# Altium PCB old-CPU-board-multi.PcbDoc (part 1 of 3) (continued)
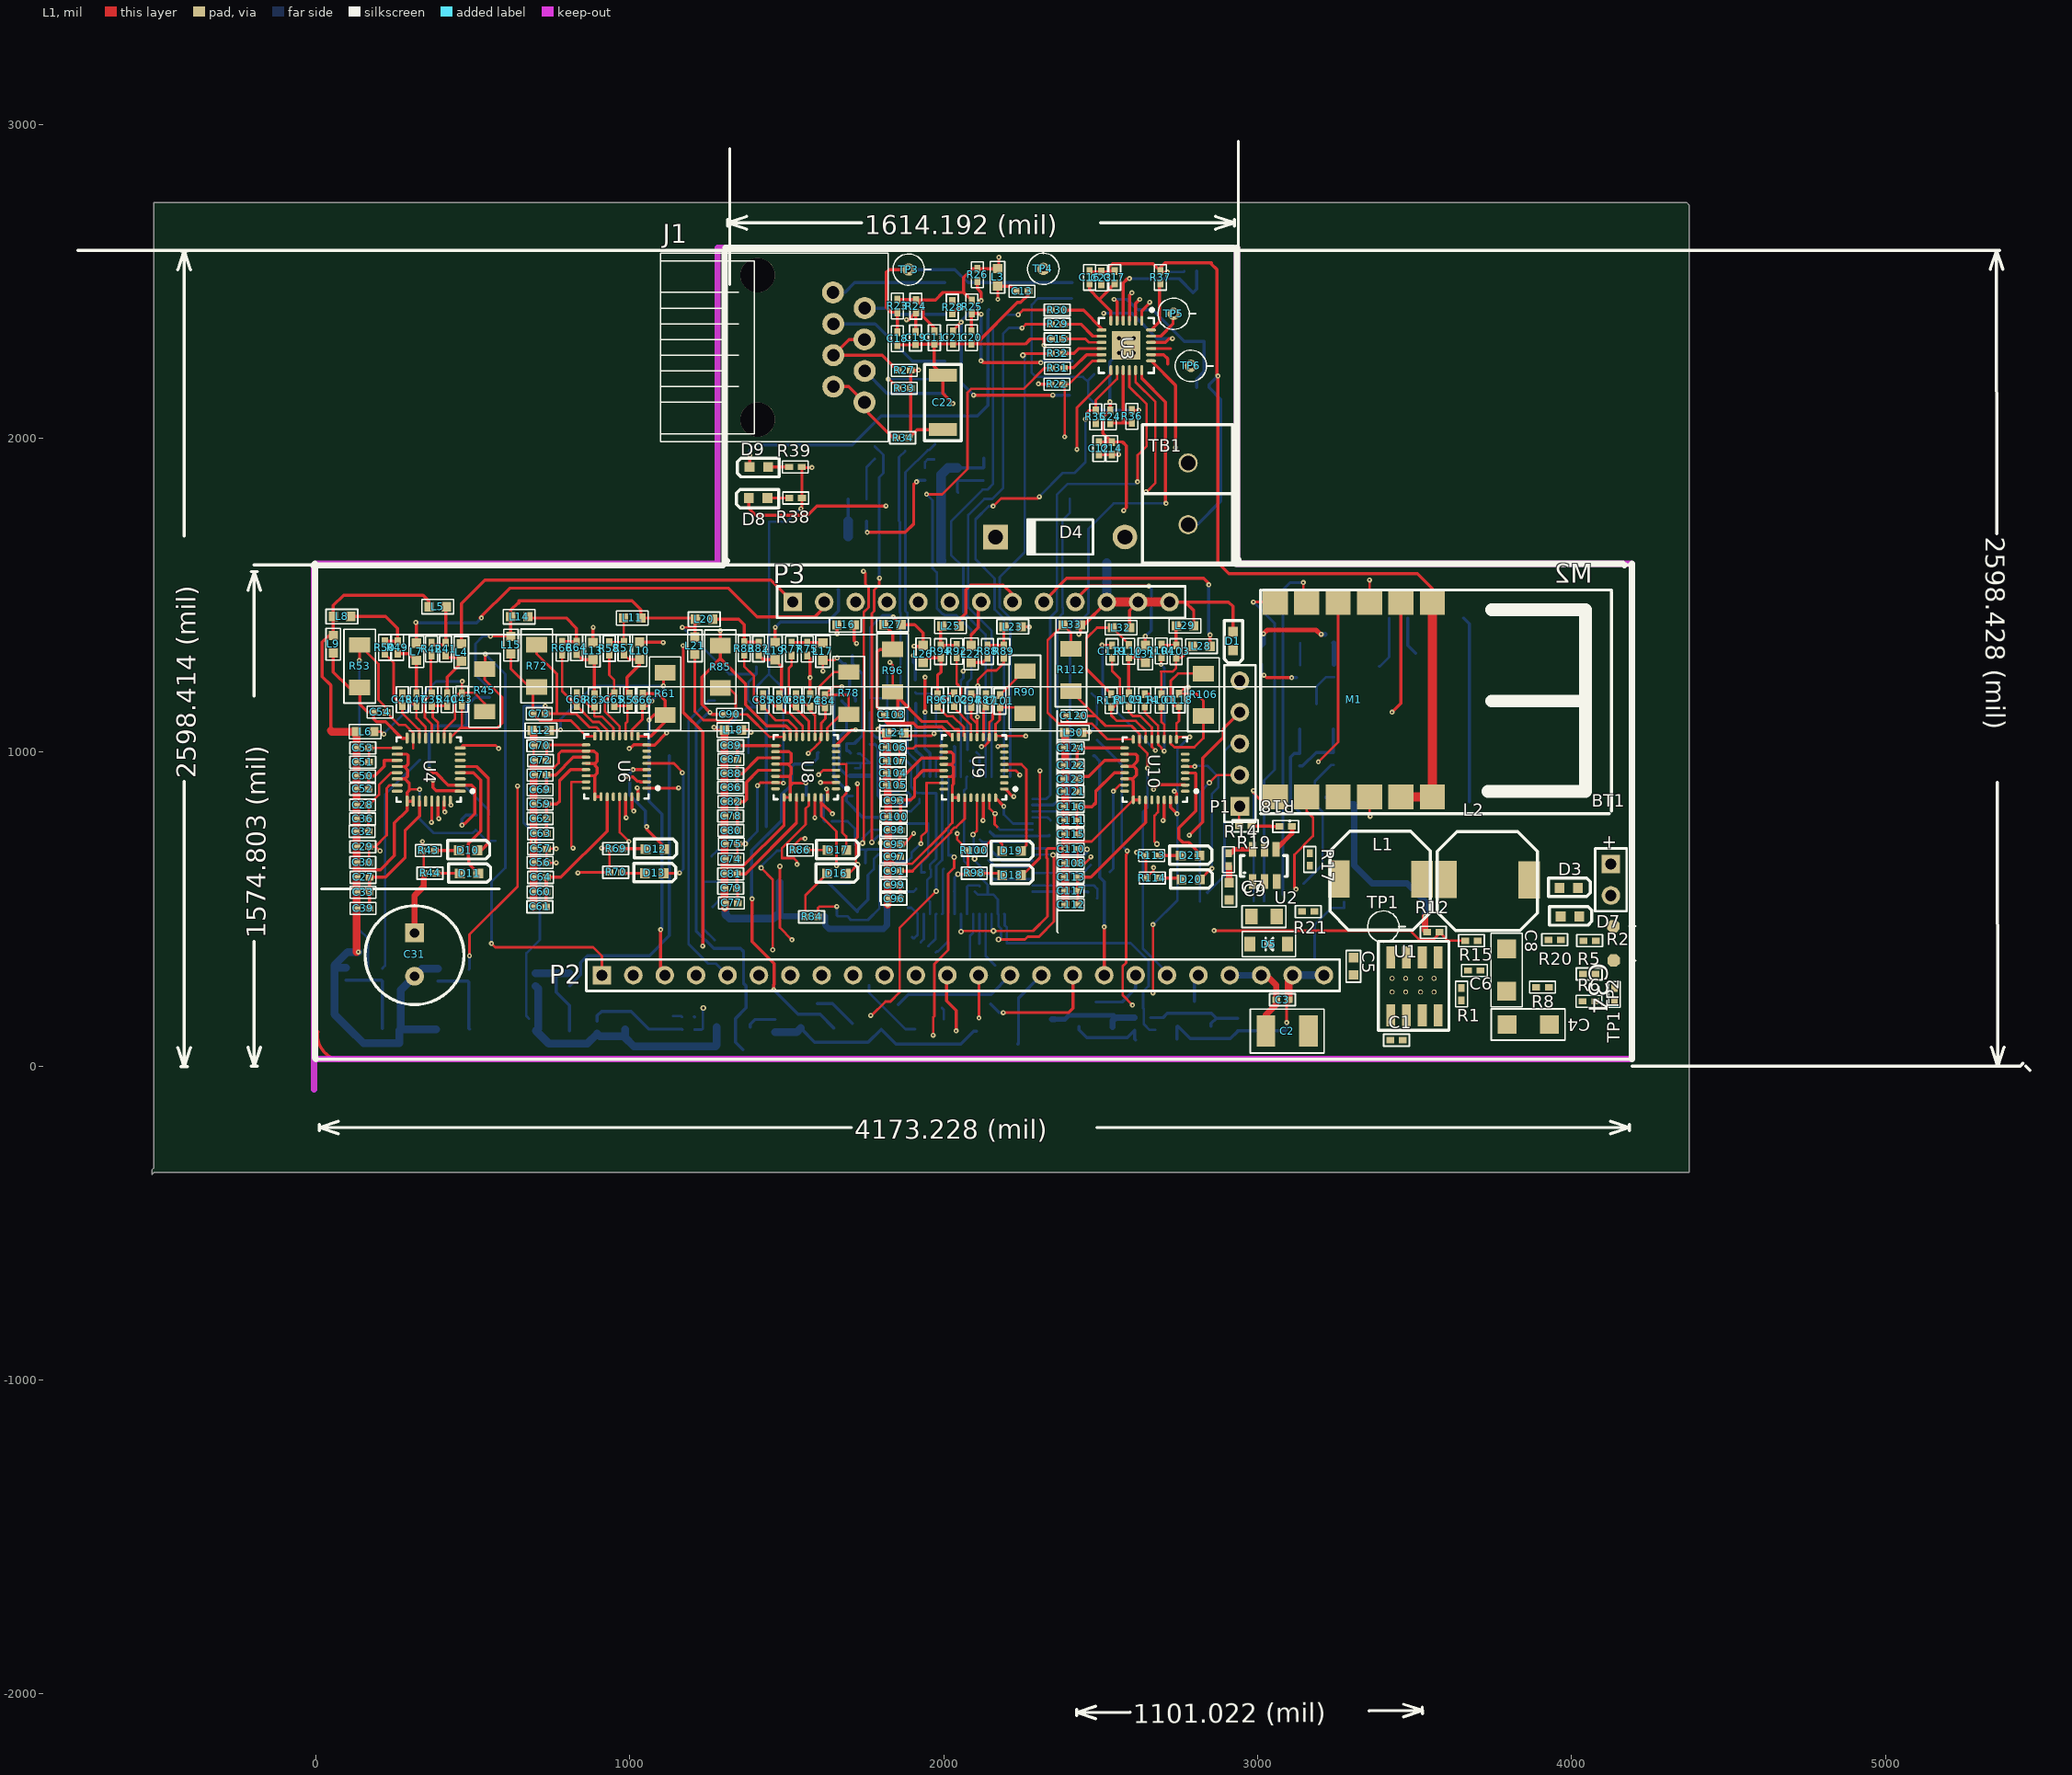
[diagram p0: L1 view]
## Design rules (kind name [scope] priority, off if disabled: settings)
Clearance [All] p1: gap=7.8
PolygonConnect [All] p1: connectstyle=Relief reliefconductorwidth=10 reliefentries=4 polygonreliefangle="90 Angle" airgapwidth=10
RoutingTopology [All] p1: topology=Daisy_MidDriven
RoutingVias MicroVia [((StartLayer='L1')and (StopLayer='L2'))or  ((StartLayer='L3')and (StopLayer='L4')) or ((StartLayer='L1')and (StopLayer='L3')) or ((StartLayer='L1')and (StopLayer='L1-2')) or ((StartLayer='L4')and (StopLayer='L3')) or ((StartLayer='L1-2')and (StopLayer='L4')) or ((StartLayer='L2')and (StopLayer='L4')) or ((StartLayer='L1-2')and (StopLayer='L2'))] p1: holewidth=6 width=16 viastyle="Through Hole" minholewidth=6 minwidth=16 maxholewidth=6 maxwidth=16
RoutingVias ThruVia [((StartLayer='L1')and (StopLayer='L4'))] p2: holewidth=6 width=6 viastyle="Through Hole" minholewidth=6 minwidth=16 maxholewidth=6 maxwidth=16
RoutingVias BuriedVia [((StartLayer='L2')and (StopLayer='L3'))  or ((StartLayer='L1-2')and (StopLayer='L3'))] p3: holewidth=7.87 width=17.72 viastyle="Through Hole" minholewidth=7.87 minwidth=17.72 maxholewidth=7.87 maxwidth=17.72
SMDNeckDown [All] p1: percent=40.000
SolderMaskExpansion [All] p1: expansion=4
Width [All] p1: maxlimit=50 minlimit=3.94 preferedwidth=10
27 further rules are at their usual default settings.

## Classes and differential pairs
component class Sheet1-multi: BT1 C1 C2 C3 C4 C6 C8 C10 C11 C12 C14 C15 C17 C18 C28 C33 C38 C47 C51 C90 C102 C103 C104 C106 C119 C121 D1 D3 D4 D5 D6 D7 D11 D15 D16 J1 L2 L4 L21 Q1 R2 R4 R5 R6 R7 R8 R9 R11 R12 R13 R15 R17 R18 R19 R20 R21 R23 R25 R26 R27 R28 R29 R31 R34 R46 R47 R51 R59 R63 R64 R66 R73 R77 R82 R84 R92 R96 R98 R106 TB1 TP2 TP3 TP4 TP5 TP6 TrET1 U1 U2 U4 Y1
component class Sheet2-multi: C7 C9 C10 C11 C17 C21 C24 C27 C28 C29 C32 C35 C38 C40 C43 C48 C49 C50 C51 C52 C53 C54 C55 C56 C57 C59 C60 C61 C62 C63 C64 C69 C70 C71 C72 C73 C74 C75 C77 C78 C79 C80 C81 C82 C83 C84 C86 C87 C88 C89 C90 C91 C95 C98 C108 C114 C115 C116 C117 C118 C121 D6 D11 D12 D13 D15 D16 D18 D20 L2 L6 L8 L12 L13 L14 L15 L17 L18 L19 L20 L21 L23 L25 L28 L30 L31 L32 M2 P1 P2 P3 Q1 Q5 Q6 Q7 Q8 R19 R20 R23 R25 R27 R32 R33 R34 R35 R37 R40 R41 R42 R43 R44 R45 R47 R51 R52 R53 R54 R55 R56 R57 R58 R59 R61 R63 R64 R67 R69 R73 R74 R75 R77 R78 R79 R80 R82 R84 R85 R88 R89 R97 R100 R104 R113 U4 U7 U8 Y1 Y2
component class Sheet3-multi: C7 C10 C11 C12 C17 C18 C21 C22 C23 C24 C25 C26 C38 C40 C44 C47 C51 C54 C59 C66 C67 C71 C83 C95 C98 C103 C104 C108 C114 C115 C117 C119 C121 D5 D6 D15 D19 L3 L4 L8 L9 L17 L23 L25 L27 L28 L29 L31 M1 Q2 Q6 Q12 R4 R6 R7 R12 R20 R25 R46 R50 R54 R59 R60 R67 R68 R71 R73 R79 R88 R91 R92 R93 R97 R102 R103 R104 R105 R107 R108 R111 U7 U8

## Components (designator, comment, footprint, x,y, rotation, side; value= is the part's Value field where it differs from the comment)
BT1 "9.0V" BAT-2 4125,593 r270 top
C1 "10nF/6.3V" 0402C-GENERIC 3422,82 r0 top
C2 "47uF/6.3V" 1210C-GENERIC 3026,111 r0 top
C3 ".1uF" 0402C-GENERIC 3059,211 r0 top
C4 "10uF/50V" 1206C-GENERIC 3794,132 r0 top
C5 ".1uF/50V" 0603C-GENERIC 3305,345 r270 top
C6 "2.2nF/6.3V" 0402C-GENERIC 3670,304 r0 top
C7 "1uF/6.3V" 0603C-GENERIC 2909,584 r270 top
C8 "22uF" 1206C-GENERIC 3793,238 r90 top
C9 "100nF/6.3V" 0805C-GENERIC 2990,476 r0 top
C10 "22uF/6.3V" 1206C-GENERIC 3244,397 r0 bottom
C11 "100nF/35V" 0402C-GENERIC 1970,2340 r270 top
C12 "10uF/6.3V" 0402C-TBD 2494,1947 r90 top
C13 "100nF/35V" 0402C-GENERIC 2229,2468 r0 top
C14 "100nF/35V" 0402C-GENERIC 2535,1947 r90 top
C15 "10uF/6.3V" 0402C-TBD 2381,2316 r180 top
C16 "1uF/16V" 0402C-GENERIC 2464,2492 r90 top
C17 "470pF" 0402C-GENERIC 2544,2492 r90 top
C18 "10pF/50V" 0402C-GENERIC 1852,2337 r270 top
C19 "10pF/50V" 0402C-GENERIC 1910,2339 r270 top
C20 "10pF/50V" 0402C-GENERIC 2088,2340 r270 top
C21 "10pF/50V" 0402C-GENERIC 2029,2340 r270 top
C22 "1000pF/3kV" 1808 1997,2027 r90 top
C23 "22nF/16V" 0402C-GENERIC 2502,2490 r90 top
C24 "100nF/35V" 0402C-GENERIC 2530,2048 r90 top
C25 "18pF/6.3V" 0402C-TBD 2806,2532 r180 bottom
C26 "18pF/6.3V" 0402C-TBD 2805,2161 r0 bottom
C27 "100nF/10V" 0402C-GENERIC 130,601 r0 top
C28 "1uF/6.3V" 0402C-GENERIC 168,831 r180 top
C29 "150pF/10V" 0402C-GENERIC 169,698 r180 top
C30 "100nF" 0402C-GENERIC 169,648 r180 top
C31 "Comment" 470uF/6.3v 314,423.8 r270 top
C32 "150pF/10V" 0402C-GENERIC 167,747 r180 top
C33 "150pF/10V" 0402C-GENERIC 170,553 r180 top
C34 "100n" 0402C-TBD 4136,248 r270 top
C35 "10n/16V" 0402C-GENERIC 369,1187 r270 top
C36 "100nF/10V" 0402C-GENERIC 128,787 r0 top
C37 "100n" 0402C-TBD 1765,964 r270 bottom
C38 "100nF/6.3V" 0402C-TBD 2126,1865 r90 bottom
C39 "4.7uF/16V" 0402C-GENERIC 170,502 r180 top
C40 "100n" 0402C-TBD 1691,965 r270 bottom
C41 "100n" 0402C-TBD 1662,477 r180 bottom
C42 "27pF/6.3V" 0603C-TBD 1617,862 r180 bottom
C43 "10n/16V" 0402C-GENERIC 465,1188 r270 top
C44 "100n" 0402C-TBD 2043,1865 r90 bottom
C45 "100n" 0402C-TBD 1443,1248 r180 bottom
C46 "100nF/6.3V" 0402C-TBD 1820,1213 r270 bottom
C47 "27pF/6.3V" 0603C-TBD 1724,492 r270 bottom
C48 "10n/16V" 0402C-GENERIC 275,1147 r90 top
C49 "10pF" 0402C-TBD 549,752 r180 bottom
C50 "150pF" 0402C-GENERIC 168,924 r180 top
C51 "150pF" 0402C-GENERIC 169,968 r180 top
C52 "100nF" 0402C-GENERIC 168,882 r180 top
C53 "100nF" 0402C-GENERIC 169,1013 r180 top
C54 "10n/16V" 0402C-GENERIC 184,1127 r0 top
C55 "10pF" 0402C-TBD 553,1174 r90 bottom
C56 "150pF/10V" 0402C-GENERIC 734,648 r180 top
C57 "100nF" 0402C-GENERIC 695,692 r0 top
C59 "1uF/6.3V" 0402C-GENERIC 734,834 r180 top
C60 "100nF" 0402C-GENERIC 734,554 r180 top
C61 "150pF/10V" 0402C-GENERIC 733,507 r180 top
C62 "150pF/10V" 0402C-GENERIC 734,788 r180 top
C63 "100nF" 0402C-GENERIC 735,740 r180 top
C64 "1uF/6.3V" 0402C-GENERIC 735,601 r180 top
C65 "10n/16V" 0402C-GENERIC 950,1187 r270 top
C66 "10n/16V" 0402C-GENERIC 1041,1146 r90 top
C67 ".1uF" 0402R-GENERIC 1400,1143 r0 bottom
C68 "10n/16V" 0402C-GENERIC 831,1147 r90 top
C69 "150pF" 0402C-GENERIC 734,880 r180 top
C70 "150pF" 0402C-GENERIC 733,1020 r180 top
C71 "100nF" 0402C-GENERIC 734,927 r180 top
C72 "100nF" 0402C-GENERIC 695,973 r0 top
C73 "10n/16V" 0402C-GENERIC 691,1122 r0 top
C74 "150pF/10V" 0402C-GENERIC 1342,659 r180 top
C75 "100nF" 0402C-GENERIC 1343,707 r180 top
C77 "100nF" 0402C-GENERIC 1343,519 r180 top
C78 "1uF/6.3V" 0402C-GENERIC 1341,796 r180 top
C79 "150pF/10V" 0402C-GENERIC 1341,566 r180 top
C80 "150pF/10V" 0402C-GENERIC 1342,750 r180 top
C81 "1uF/6.3V" 0402C-GENERIC 1341,612 r180 top
C82 "100nF" 0402C-GENERIC 1342,842 r180 top
C83 "10n/16V" 0402C-GENERIC 1529,1145 r90 top
C84 "10n/16V" 0402C-GENERIC 1621.19,1142 r90 top
C85 "10n/16V" 0402C-GENERIC 1424,1145 r90 top
C86 "150pF" 0402C-GENERIC 1341,887 r180 top
C87 "150pF" 0402C-GENERIC 1342,976 r180 top
C88 "100nF" 0402C-GENERIC 1341,931 r180 top
C89 "100nF" 0402C-GENERIC 1341,1020 r180 top
C90 "10n/16V" 0402C-GENERIC 1337,1120 r180 top
C91 "100nF" 0402C-GENERIC 1861,621 r180 top
C93 "1uF/6.3V" 0402C-GENERIC 1861,845 r180 top
C94 "10n/16V" 0402C-GENERIC 2087,1144 r90 top
C95 "100nF" 0402C-GENERIC 1862,706 r180 top
C96 "150pF/10V" 0402C-GENERIC 1861,532 r180 top
C97 "150pF/10V" 0402C-GENERIC 1861,666 r180 top
C98 "150pF/10V" 0402C-GENERIC 1822,751 r0 top
C99 "1uF/6.3V" 0402C-GENERIC 1861,576 r180 top
C100 "100nF" 0402C-GENERIC 1862,794 r180 top
C101 "10n/16V" 0402C-GENERIC 2179,1182 r270 top
C102 "10n/16V" 0402C-GENERIC 2033,1187 r270 top
C103 "10n/16V" 0402C-GENERIC 1813,1118 r0 top
C104 "150pF" 0402C-GENERIC 1859,932 r180 top
C105 "100nF" 0402C-GENERIC 1859,894 r180 top
C106 "150pF" 0402C-GENERIC 1858,1014 r180 top
C107 "100nF" 0402C-GENERIC 1859,971 r180 top
C108 "150pF/10V" 0402C-GENERIC 2426,646 r180 top
C110 "100nF" 0402C-GENERIC 2426,691 r180 top
C111 "1uF/6.3V" 0402C-GENERIC 2426,781 r180 top
C112 "100nF" 0402C-GENERIC 2426,514 r180 top
C113 "150pF/10V" 0402C-GENERIC 2425,601 r180 top
C114 "10n/16V" 0402C-GENERIC 2640,1145 r90 top
C115 "150pF/10V" 0402C-GENERIC 2426,737 r180 top
C116 "100nF" 0402C-GENERIC 2425,826 r180 top
C117 "1uF/6.3V" 0402C-GENERIC 2426,558 r180 top
C118 "10n/16V" 0402C-GENERIC 2749,1186 r270 top
C119 "10n/16V" 0402C-GENERIC 2536,1300 r90 top
C120 "10n/16V" 0402C-GENERIC 2394,1115 r0 top
C121 "150pF" 0402C-GENERIC 2425,874 r180 top
C122 "150pF" 0402C-GENERIC 2425,958 r180 top
C123 "100nF" 0402C-GENERIC 2424,914 r180 top
C124 "100nF" 0402C-GENERIC 2425.06,1013.06 r180 top
D1 "PDS 560" LED-SM 2921,1383.06 r270 top
D2 "2V/20mA" LED-SM 3012,1280 r90 bottom
D3 "2V/20mA" LED-SM 3961,567 r0 top
D4 "1N5400/3A" DO-41 2371,1685 r180 top
D5 "1N4148" SOD-123 2975,388 r0 top
D6 "9.1V" SOT23-DIODE 3142,818 r0 bottom
D7 "2V/20mA" LED-SM 3965,476 r0 top
D8 "2V/20mA" LED-SM 1438.06,1809 r180 top
D9 "2V/20mA" LED-SM 1440.06,1908 r180 top
D10 "LED2" LED-SM 455,687 r0 top
D11 "LED2" LED-SM 458,613 r0 top
D12 "LED2" LED-SM 1050,691 r0 top (schematic designator D13)
D13 "LED2" LED-SM 1048,614 r0 top
D14 "LED2" LED-SM 1754.06,1735 r180 bottom
D15 "LED2" LED-SM 1754.06,1806 r180 bottom
D16 "LED2" LED-SM 1627.94,613 r0 top
D17 "LED2" LED-SM 1630,688 r0 top
D18 "LED2" LED-SM 2186,608 r0 top
D19 "LED2" LED-SM 2186,685 r0 top
D20 "LED2" LED-SM 2756.94,594 r0 top
D21 "LED2" LED-SM 2754.94,670 r0 top
J1 "RJ45-GENERIC" RJ45-8/8 1747,2114 r0 top
L1 "15uH/3.3A" "Murata 15uH inductor" 3258,594.98 r0 top
L2 "4.7uH/2.6A" "Murata 15uH inductor" 3599.25,593 r0 top
L3 "FB1/120 Ohms" 0603C-2U2 2171,2485 r90 top
L4 "FeILB" 0603C-TBD 463,1345 r270 top
L5 "Comment" 0603C-GENERIC 360,1463 r0 top
L6 "FeILB" 0603C-TBD 129,1065 r0 top
L7 "FeILB" 0603C-TBD 320,1347 r270 top
L8 "FeILB" 0603C-TBD 55,1432 r0 top
L9 "FeILB" 0603C-TBD 55,1371 r270 top
L10 "FeILB" 0603C-TBD 1031,1350 r270 top
L11 "FeILB" 0603C-TBD 1035,1427 r180 top
L12 "FeILB" 0603C-TBD 689,1069 r0 top
L13 "FeILB" 0603C-TBD 882,1349 r270 top
L14 "FeILB" 0603C-TBD 620,1431 r0 top
L15 "FeILB" 0603C-TBD 621,1368 r270 top
L16 "FeILB" 0603C-TBD 1714,1405 r180 top
L17 "FeILB" 0603C-TBD 1615,1293 r90 top
L18 "FeILB" 0603C-TBD 1301,1070 r0 top
L19 "FeILB" 0603C-TBD 1462,1349 r270 top
L20 "FeILB" 0603C-TBD 1209,1423 r0 top
L21 "FeILB" 0603C-TBD 1207,1366 r270 top
L22 "FeILB" 0603C-TBD 2087,1340 r270 top
L23 "FeILB" 0603C-TBD 2247,1399 r180 top
L24 "FeILB" 0603C-TBD 1818,1061 r0 top
L25 "FeILB" 0603C-TBD 2049,1401 r180 top
L26 "FeILB" 0603C-TBD 1934,1340 r270 top
L27 "FeILB" 0603C-TBD 1864,1406 r180 top
L28 "FeILB" 0603C-TBD 2848,1337 r180 top
L29 "FeILB" 0603C-TBD 2796,1402 r180 top
L30 "FeILB" 0603C-TBD 2385,1062 r0 top
L31 "FeILB" 0603C-TBD 2642,1340 r270 top
L32 "FeILB" 0603C-TBD 2592,1396 r180 top
L33 "FeILB" 0603C-TBD 2435,1405 r180 top
M1 "MRF24J40MA" "MRF24J40MA-zigBEE module" 3056,1477 r270 top
M2 "ESP 8266-Wroom-02" ESP8266WROOm-02 3324.4,706.53 r90 bottom (schematic designator M1)
P1 "Header 5" HDR1X5 2943,827 r90 top
P2 "Header 24" HDR1X24 911,289 r0 top
P3 "Header 13" HDR1X13 1519,1478 r0 top
Q1 "MMBT3906" MMBT2222 3242.15,1348.26 r180 bottom (schematic designator Q4)
Q2 "MMBT2222" MMBT2222 3240.3,1074 r180 bottom
Q3 "MMBT2222" MMBT2222 211,119 r180 bottom
Q4 "MMBT2222" MMBT2222 489.15,117.26 r180 bottom
Q5 "MMBT2222" MMBT2222 807,112 r180 bottom
Q6 "MMBT2222" MMBT2222 1091.15,117.26 r180 bottom
Q7 "MMBT2222" MMBT2222 1383.15,123.26 r180 bottom
Q8 "MMBT2222" MMBT2222 1650.15,120.26 r180 bottom
Q9 "MMBT2222" MMBT2222 1908.15,117.26 r180 bottom
Q10 "MMBT2222" MMBT2222 2202,119 r180 bottom
Q11 "MMBT2222" MMBT2222 2537.3,125 r180 bottom
Q12 "MMBT2222" MMBT2222 2851.15,127.26 r180 bottom
R1 "100K" 0402R-GENERIC 3649,249 r270 top
R2 "150R" 0402R-GENERIC 4037,399 r0 top
R3 "100K" 0402R-TBD 3384,501 r0 bottom
R4 "47R" 0402R-GENERIC 3135,1277 r270 bottom
R5 "52.5K" 0402R-TBD 4036,293 r0 top
R6 "10k/1%" 0402R-TBD 4075,206 r180 top
R7 "27K" 0402R-TBD 3315,503 r180 bottom
R8 "10k/5%" 0402C-TBD 3927,251 r180 top
R9 "1K" 0402R-TBD 3243,1239 r90 bottom
R10 "10R" 0402C-TBD 3187,1533 r270 bottom
R11 "10R" 0402R-TBD 3280,874 r270 bottom
R12 "57.6K" 0402R-TBD 3579,426 r180 top
R13 "10K" 0402R-TBD 3241,999 r270 bottom
R14 "0/125W" 0402R-GENERIC 2907,637 r90 top
R15 "27K" 0402R-GENERIC 3701,399 r180 top
R16 "10K" 0402R-TBD 3134,956 r90 bottom
R17 "10K" 0402R-TBD 3166,678 r270 top
R18 "75K/1%/.125W" 0402R-TBD 3069,763 r0 top
R19 "40.2K/1%/.125W" 0402R-TBD 2940,765 r0 top
R20 "47" 0402R-TBD 3926,402 r0 top
R21 "13K" 0402R-TBD 3141,492 r0 top
R22 "1.5K" 0402R-TBD 2380,2172 r180 top
R23 "49.9" 0402R-TBD 1852,2401 r90 top
R24 "49.9" 0402R-TBD 1911,2400 r90 top
R25 "49.9" 0402R-TBD 2089,2398 r90 top
R26 "49.9" 0402R-TBD 2107,2500 r90 top
R27 "75/1%/.125W" 0402R-TBD 1854,2216 r0 top
R28 "75/1%/.125W" 0402R-TBD 2027,2397 r90 top
R29 "100" 0402R-TBD 2381,2363 r180 top
R30 "100" 0402R-TBD 2381,2408 r180 top
R31 "100" 0402R-TBD 2382,2223 r180 top
R32 "100" 0402R-TBD 2381,2270 r180 top
R33 "75/1%/.125W" 0402R-TBD 1894,2159 r180 top
R34 "75/1%/.125W" 0402R-TBD 1849,2001 r0 top
R35 "33" 0402R-TBD 2484,2048 r90 top
R36 "4.7k" 0402R-TBD 2599,2049 r90 top
R37 "12.1k" 0402R-TBD 2690,2532 r270 top
R38 "45" 0402R-TBD 1508,1809 r0 top
R39 "45" 0402R-TBD 1507,1908 r0 top
R40 "1K" 0402R-TBD 418,1147 r90 top
R41 "18.7" 0402R-TBD 413,1348 r270 top
R42 "1K" 0402R-TBD 368,1308 r90 top
R43 "220" 0402R-TBD 378,686 r180 top
R44 "220" 0402R-TBD 383,614 r180 top
R45 "470/1%/.250W" 1206FB-GENERIC 537,1264 r270 top
R46 "1M" 0402R-TBD 1750,606 r90 bottom
R47 "1K" 0402R-TBD 320,1147 r90 top
R48 "470" 0402R-TBD 211,310 r270 bottom
R49 "18.7" 0402R-TBD 260,1353 r270 top
R50 "1K" 0402R-GENERIC 219,1313 r90 top
R51 "2K" 0402R-TBD 95,313 r270 bottom
R52 "1M" 0402R-TBD 511,799 r0 bottom
R53 "470/1%/.250W" 1206FB-GENERIC 139,1341 r270 top
R54 "470" 0402R-TBD 487,307 r270 bottom
R55 "1K" 0402R-TBD 999,1146 r90 top
R56 "2K" 0402R-TBD 388,310 r270 bottom
R57 "18.7" 0402R-TBD 981,1351 r270 top
R58 "1K" 0402R-TBD 934,1310 r90 top
R59 "10k" 0402R-TBD 1440,1193 r180 bottom
R60 "470" 0402R-TBD 807,255 r90 bottom
R61 "470/1%/.250W" 1206FB-GENERIC 1112,1118 r90 top
R62 "2K" 0402R-TBD 699,255 r90 bottom
R63 "1K" 0402R-TBD 887,1145 r90 top
R64 "18.7" 0402R-TBD 830,1352 r270 top
R65 "470" 0402R-TBD 1166,156 r270 bottom
R66 "1K" 0402R-TBD 784,1311 r90 top
R67 "220" 0402R-TBD 1780,1934 r90 bottom
R68 "220" 0402C-TBD 1940,1865 r90 bottom
R69 "220" 0402R-GENERIC 975,692 r180 top
R70 "220" 0402R-TBD 975,617 r180 top
R71 "2K" 0402R-TBD 896,103 r90 bottom
R72 "470/1%/.250W" 1206FB-GENERIC 703,1342 r270 top
R73 "470" 0402R-TBD 1206,116 r90 bottom
R74 "1K" 0402R-TBD 1574,1145 r90 top
R75 "18.7" 0402R-TBD 1565,1348 r270 top
R76 "2K" 0402R-GENERIC 1462,108 r90 bottom
R77 "1K" 0402R-TBD 1515,1308 r90 top
R78 "470/1%/.250W" 1206FB-GENERIC 1697,1120 r90 top
R79 "470" 0402R-GENERIC 1909,1190 r90 bottom
R80 "1K" 0402R-GENERIC 1476,1145 r90 top
R81 "2K" 0402R-GENERIC 1690,1067 r270 bottom
R82 "18.7" 0402R-GENERIC 1410,1349 r270 top
R83 "1K" 0402R-TBD 1364,1310 r90 top
R84 "220" 0402R-TBD 1559,475 r0 top
R85 "470/1%/.250W" 1206FB-GENERIC 1288,1339 r270 top
R86 "220" 0402R-TBD 1562,688 r180 top
R87 "1K" 0402R-TBD 2134,1145 r90 top
R88 "18.7" 0402R-TBD 2139,1340 r270 top
R89 "1K" 0402R-TBD 2191,1300 r90 top
R90 "470/1%/.250W" 1206FB-GENERIC 2258,1123 r90 top
R91 "470" 0402R-TBD 1765,1025 r90 bottom
R92 "1K" 0402R-TBD 2041,1301 r90 top
R93 "2K" 0402R-TBD 1766,1171 r270 bottom
R94 "18.7" 0402R-TBD 1990,1300 r90 top
R95 "1K" 0402R-TBD 1980,1145 r90 top
R96 "470/1%/.250W" 1206FB-GENERIC 1837,1192 r90 top
R97 "470" 0402R-TBD 2000,149 r270 bottom
R98 "220" 0402R-GENERIC 2117,614 r180 top
R99 "2K" 0402R-TBD 2294,146 r270 bottom
R100 "220" 0402R-GENERIC 2117,687 r180 top
R101 "K" 0402R-TBD 2693,1145 r90 top
R102 "470" 0402R-TBD 2346,105 r90 bottom
R103 "18.7" 0402R-TBD 2740,1340 r270 top
R104 "K" 0402R-TBD 2693,1302 r90 top
R105 "2K" 0402R-TBD 2608,114 r90 bottom
R106 "470/1%/.250W" 1206FB-GENERIC 2827,1250 r270 top
R107 "470" 0402R-TBD 2674,115 r90 bottom
R108 "2K" 0402R-TBD 2936,112 r90 bottom
R109 "K" 0402R-TBD 2589,1147 r90 top
R110 "18.7" 0402R-TBD 2589,1341 r270 top
R111 "K" 0402R-TBD 2533,1144 r90 top
R112 "470/1%/.250W" 1206FB-GENERIC 2405,1194 r90 top
R113 "220" 0402R-TBD 2682,670 r180 top
R114 "220" 0402R-TBD 2684,599 r180 top
TB1 "TB-2" "Terminal Block 2x5mm" 2778,1921 r270 top
TP1 "TESTPOINT" TESTPOINT#1 4133,445 r0 top (schematic designator TP5)
TP1 "TESTPOINT" TESTPOINT#2 3400,444 r0 top
TP2 "TESTPOINT" TESTPOINT#1 4134,336 r0 top (schematic designator TP8)
TP3 "TESTPOINT" TESTPOINT#3 1888,2537 r0 top
TP4 "TESTPOINT" TESTPOINT#3 2317,2539 r90 top (schematic designator TP5)
TP5 "TESTPOINT" TESTPOINT#3 2732,2396 r0 top
TP6 "TESTPOINT" TESTPOINT#3 2787,2230 r0 top (schematic designator TP7)
TrET1 "HX1224NL" S558-5999-Ethtransf 2408,2495 r270 bottom
U1 "MP2403" MP2403 3424,161 r0 top
U2 "MP1470" MP1470 2983.63,587.82 r0 top
U3 "LAN8720" QFN24_4X4_N 2581.26,2295.21 r270 top
U4 "STPM34" 32M1-A_M 359,944 r180 top
U5 "PIC32MX795" TQFP-PT64_N 2064,703 r180 bottom
U6 "STPM34" 32M1-A_L#1 957,954 r180 top
U7 "23LCV1024" SO8_L 1385,611 r180 bottom
U8 "STPM34" 32M1-A_L#1 1560,952 r180 top
U9 "STPM34" 32M1-A_L#1 2096,951 r180 top
U10 "STPM34" 32M1-A_L#2 2672.46,944.16 r180 top
Y1 "25 MHz" 25Mhz-oscl 2829,2308 r90 bottom
Y2 "8Mhz" CeramicResonator8-16MHZ 1622,580.57 r90 bottom
Y3 "16Mhz" CeramicResonator8-16MHZ 479,1083 r270 bottom

## Footprints (in the part's own frame and the unit in brackets; to place one, negate y for a bottom-side part, rotate by r counter-clockwise, add the part's x,y. Pads: shape width x height; smd on the part's side, far side on the other; paste and mask are expansions set on the pad)
25Mhz-oscl [mm]
  rect 1.9x2.6 smd: 1(0,0) 2(4,0)
  silkscreen extent -1.3,-1.7 5.5,1.7
32M1-A_L#1 [mm] "32-Pin Quad Flat No-Lead 0.5 mm Pitch, IPC High Density"
  oval 0.7x0.25 smd: 1(-2.45,1.75) 2(-2.45,1.25) 3(-2.45,0.75) 4(-2.45,0.25) 5(-2.45,-0.25) 6(-2.45,-0.75) 7(-2.45,-1.25) 8(-2.45,-1.75) 17(2.45,-1.75) 18(2.45,-1.25) 19(2.45,-0.75) 20(2.45,-0.25) 21(2.45,0.25) 22(2.45,0.75) 23(2.45,1.25) 24(2.45,1.75)
  oval 0.25x0.7 smd: 9(-1.75,-2.45) 10(-1.25,-2.45) 11(-0.75,-2.45) 12(-0.25,-2.45) 13(0.25,-2.45) 14(0.75,-2.45) 15(1.25,-2.45) 16(1.75,-2.45) 25(1.75,2.45) 26(1.25,2.45) 27(0.75,2.45) 28(0.25,2.45) 29(-0.25,2.45) 30(-0.75,2.45) 31(-1.25,2.45) 32(-1.75,2.45)
  silkscreen extent -3.48,-2.6 2.6,2.6, body extent -2.58,-2.58 2.58,2.58, height 1
32M1-A_L#2 [mm] "32-Pin Quad Flat No-Lead 0.5 mm Pitch, IPC High Density"
  oval 0.7x0.25 smd: 1(-2.45,1.75) 2(-2.45,1.25) 3(-2.45,0.75) 4(-2.45,0.25) 5(-2.45,-0.25) 6(-2.45,-0.75) 7(-2.45,-1.25) 17(2.45,-1.75) 18(2.45,-1.25) 19(2.45,-0.75) 20(2.45,-0.25) 21(2.45,0.25) 22(2.45,0.75) 23(2.45,1.25) 24(2.45,1.75)
  oval 0.25x0.7 smd: 9(-1.75,-2.45) 10(-1.25,-2.45) 11(-0.75,-2.45) 12(-0.25,-2.45) 13(0.25,-2.45) 14(0.75,-2.45) 15(1.25,-2.45) 16(1.75,-2.45) 25(1.75,2.45) 26(1.25,2.45) 27(0.75,2.45) 28(0.25,2.45) 29(-0.25,2.45) 30(-0.75,2.45) 31(-1.25,2.45) 32(-1.75,2.45)
  silkscreen extent -3.48,-2.6 2.6,2.6, body extent -2.58,-2.58 2.58,2.58, height 1
32M1-A_M [mm] "32-Pin Quad Flat No-Lead 0.5 mm Pitch, IPC Low Density"
  oval 0.9x0.25 smd paste+0 mask+0.076: 1(-2.55,1.75) 2(-2.55,1.25) 3(-2.55,0.75) 4(-2.55,0.25) 5(-2.55,-0.25) 6(-2.55,-0.75) 7(-2.55,-1.25) 8(-2.55,-1.75)
  oval 0.25x0.9 smd: 9(-1.75,-2.55) 10(-1.25,-2.55) 11(-0.75,-2.55) 12(-0.25,-2.55) 13(0.25,-2.55) 14(0.75,-2.55) 15(1.25,-2.55) 16(1.75,-2.55) 25(1.75,2.55) 26(1.25,2.55) 27(0.75,2.55) 28(0.25,2.55) 29(-0.25,2.55) 30(-0.75,2.55) 31(-1.25,2.55) 32(-1.75,2.55)
  oval 0.9x0.25 smd: 17(2.55,-1.75) 18(2.55,-1.25) 19(2.55,-0.75) 20(2.55,-0.25) 21(2.55,0.25) 22(2.55,0.75) 23(2.55,1.25) 24(2.55,1.75)
  silkscreen extent -3.68,-2.6 2.6,2.6, body extent -2.58,-2.58 2.58,2.58, height 1
0402C-GENERIC [mil]
  rect 25x20 smd: 1(0,0) 2(40,0)
  silkscreen extent -21,-19 61,19
0402C-TBD [mil]
  rect 25x20 smd: 1(0,0) 2(40,0)
  silkscreen extent -21,-19 61,19, body extent 2,-9 39,9, height 19
0402R-GENERIC [mil]
  rect 25x20 smd: 1(0,0) 2(40,0)
  silkscreen extent -21,-19 61,19, body extent -6,-10 46,10, height 14
0402R-TBD [mil]
  rect 25x20 smd: 1(0,0) 2(40,0)
  silkscreen extent -21,-19 61,19, body extent -6,-10 46,10, height 14
470uF/6.3v [mil]
  rect 60x60 hole 30: 1(0,0)
  round 60 hole 30: 2(137.8,0)
  silkscreen extent -87,-157 228,157
0603C-2U2 [mil] "CAPACITOR 0603"
  rect 30x30 smd: 1(0,0) 2(55,0)
  silkscreen extent -23,-23 78,23, body extent -4,-15 59,15, height 19
0603C-GENERIC [mil] "CAPACITOR 0603"
  rect 30x30 smd: 1(0,0) 2(55,0)
  silkscreen extent -23,-23 78,23, body extent -4,-15 59,15, height 19
0603C-TBD [mil] "CAPACITOR 0603 TBD"
  rect 30x30 smd: 1(0,0) 2(55,0)
  silkscreen extent -23,-23 78,23, body extent -4,-15 59,15, height 19
0805C-GENERIC [mil] "CAPACITOR 0805"
  rect 40x50 smd: 1(-10,0) 2(70,0)
  silkscreen extent -40,-35 100,35, body extent -11,-25 70,25, height 26
1206C-GENERIC [mil]
  rect 60x60 smd: 1(0,0) 2(135,0)
  silkscreen extent -50,-50 185,50, body extent -8,-29 147,29, height 46
1206FB-GENERIC [mm] "FERRITE BEAD 1206"
  rect 1.25x1.7 smd: 1(0,0) 2(3.429,0)
  silkscreen extent -1.27,-1.27 4.7,1.27, body extent 0.11,-0.81 3.31,0.8, height 1.55
1210C-GENERIC [mil]
  rect 60x100 smd: 1(0,0) 2(135,0)
  silkscreen extent -50,-70 185,70, body extent -10,-50 145,50, height 46
1808 [mm]
  rect 1.05x2.3 smd: 1(0,0) 2(4.4,0)
  silkscreen extent -0.9,-1.5 5.28,1.5
BAT-2 [mm] "Battery; 2 Leads"
  rect 1.5x1.5 hole 0.9: 1(-1.27,0)
  round 1.5 hole 0.9: 2(1.27,0)
  silkscreen extent -2.54,-1.27 2.54,1.27
CeramicResonator8-16MHZ [mm]
  rect 1.7x4 smd: 1(0,0) 2(5,0)
  rect 1.5x4 smd: 3(2.5,0)
  silkscreen extent -1.5,-2.5 6.5,2.5
DO-41 [mm] "Diode, Axial; Body 5.2 x 2.7 mm (LxDia. max), Lead Dia. 0.86 mm (max)"
  round 2 hole 1.2: 1(-5.23,0)
  rect 2x2 hole 1.2: 2(5.23,0)
  silkscreen extent -2.65,-1.41 2.75,1.4
ESP8266WROOm-02 [mm]
  rect 2.5x0.92 smd: 1(0,12.9) 2(0,11.4) 3(0,9.9) 4(0,8.4) 5(0,6.9) 6(0,5.4) 7(0,3.9) 8(0,2.4) 9(0,0.9) 10(18.3,0.9) 11(18.3,2.4) 12(18.3,3.9) 13(18.3,5.4) 14(18.3,6.9) 15(18.3,8.4) 16(18.3,9.9) 17(18.3,11.4) 18(18.3,12.9)
  silkscreen extent -2.2,0 20.5,20.25
HDR1X5 [mm] "Connector; Header; 5 Position"
  rect 1.5x1.5 hole 0.9: 1(0,0)
  round 1.5 hole 0.9: 2(2.54,0) 3(5.08,0) 4(7.62,0) 5(10.16,0)
  silkscreen extent -1.27,-1.27 11.43,1.27
HDR1X13 [mm] "Connector; Header; 13 Position"
  rect 1.5x1.5 hole 0.9: 1(0,0)
  round 1.5 hole 0.9: 2(2.54,0) 3(5.08,0) 4(7.62,0) 5(10.16,0) 6(12.7,0) 7(15.24,0) 8(17.78,0) 9(20.32,0) 10(22.86,0) 11(25.4,0) 12(27.94,0) 13(30.48,0)
  silkscreen extent -1.27,-1.27 31.75,1.27
HDR1X24 [mm] "Connector; Header; 24 Position"
  rect 1.5x1.5 hole 0.9: 1(0,0)
  round 1.5 hole 0.9: 2(2.54,0) 3(5.08,0) 4(7.62,0) 5(10.16,0) 6(12.7,0) 7(15.24,0) 8(17.78,0) 9(20.32,0) 10(22.86,0) 11(25.4,0) 12(27.94,0) 13(30.48,0) 14(33.02,0) 15(35.56,0) 16(38.1,0) 17(40.64,0) 18(43.18,0) 19(45.72,0) 20(48.26,0) 21(50.8,0) 22(53.34,0) 23(55.88,0) 24(58.42,0)
  silkscreen extent -1.27,-1.27 59.69,1.27
LED-SM [mm]
  rect 0.8x0.8 smd: 1(0,0) 2(1.5,0)
  silkscreen extent -0.9,-0.7 2.5,0.8
MMBT2222 [mm]
  rect 0.8x0.9 smd: B(0,0) C(1.35,2) E(2.7,0)
  silkscreen extent -1,-0.8 3.7,2.8
MP1470 [mm] "Power  Supply IC"
  rect 0.6x1.2 smd: 1(0,0) 2(0.95,0) 3(1.95,0) 4(1.9,2.6) 5(0.95,2.6) 6(0,2.6)
  silkscreen extent -1,0.4 2.8,2.1
MP2403 [mil]
  rect 28x70 smd: 1(0,0) 2(50,0) 3(100,0) 4(150,0) 5(150,185) 6(100,185) 7(50,185) 8(0,185)
  rect 0x0 smd: 4(70.87,94.49)
  round 15.75 hole 10: 10(3.94,74.8) 11(47.24,74.8) 12(94.49,74.8) 13(137.8,74.8) 14(137.8,118.11) 15(94.49,118.11) 16(47.24,118.11) 17(3.94,118.11)
  silkscreen extent -39,-47 185,236
"MRF24J40MA-zigBEE module" [mil]
  rect 80x80 smd: 1(0,500) 2(0,400) 3(0,300) 4(0,200) 5(0,100) 6(0,0) 7(620,0) 8(620,100) 9(620,200) 10(620,300) 11(620,400) 12(620,500)
  silkscreen extent -39,-47 673,1071
"Murata 15uH inductor" [mm]
  rect 1.75x3 smd: 1(0,0.025) 2(6.75,0)
  silkscreen extent -0.7,-4.1 7.4,3.9
QFN24_4X4_N [mm] "QFN, 24-Leads, Body 4x4mm, Pitch 0.5mm, IPC Medium Density"
  oval 0.8x0.25 smd: 1(-2,1.25) 2(-2,0.75) 3(-2,0.25) 4(-2,-0.25) 5(-2,-0.75) 6(-2,-1.25) 13(2,-1.25) 14(2,-0.75) 15(2,-0.25) 16(2,0.25) 17(2,0.75) 18(2,1.25)
  oval 0.25x0.8 smd: 7(-1.25,-2) 8(-0.75,-2) 9(-0.25,-2) 10(0.25,-2) 11(0.75,-2) 12(1.25,-2) 19(1.25,2) 20(0.75,2) 21(0.25,2) 22(-0.25,2) 23(-0.75,2) 24(-1.25,2)
  rect 2.3x2.3 smd: 25(0,0)
  silkscreen extent -3,-2.22 2.22,2.22, body extent -2.07,-2.07 2.07,2.07, height 1
RJ45-8/8 [mil]
  round 70 hole 40: 1(-100,350) 2(1,300) 3(-99,250) 4(0,200) 5(-99,150) 6(1,100) 7(-99,50) 8(0,0)
  round 110 hole 110 unplated: A(-340,-55) B(-340,405)
  silkscreen extent -650,-125 75,475
S558-5999-Ethtransf [mil]
  rect 25x50 smd: 1(0,0) 2(50,0) 3(100,0) 4(150,0) 5(200,0) 6(250,0) 7(300,0) 8(350,0) 9(354.33,405) 10(300,405) 11(250,405) 12(200,405) 13(150,405) 14(100,405) 15(50,405) 16(0,405)
  silkscreen extent -35,8 370,358
SO8_L [mm] "SOIC, 8-Leads, Body 4.9x3.9mm, Pitch 1.27mm, IPC High Density"
  oval 1.9x0.6 smd: 1(-2.35,1.905) 2(-2.35,0.635) 3(-2.35,-0.635) 4(-2.35,-1.905) 5(2.35,-1.905) 6(2.35,-0.635) 7(2.35,0.635) 8(2.35,1.905)
  silkscreen extent -2.48,-2.5 1,2.88, body extent -2,-2.5 2,2.5, height 1.75
SOD-123 [mm]
  rect 0.9x1.2 smd: A(3.048,0) K(0,0)
  silkscreen extent -0.64,-1.02 3.68,1.02, body extent -0.18,-0.87 3.3,0.87, height 0.79
SOT23-DIODE [mm] "SOT23 WITH A/K PIN NUMBERS"
  rect 0.9x0.7 smd: A(0,0) K(2.032,-0.965) NC(0,-1.9)
  silkscreen extent -0.63,-2.54 2.8,0.64, body extent -0.1,-2.41 2.34,0.51, height 1.33
"Terminal Block 2x5mm" [mm]
  round 1.55 hole 1.2: 1(0,0) 2(5,0)
  silkscreen extent -3.1,-3.7 8.1,3.6
TESTPOINT#1 [mm]
  oct 1x1 smd: 1(0,0)
  silkscreen extent 1.27,0 1.78,0, body extent -1.37,-1.32 1.37,1.32, height 6.45
TESTPOINT#2 [mm]
  round 0 smd: 1(0,0)
  silkscreen extent -1.27,-1.27 1.78,1.27, body extent -1.37,-1.32 1.37,1.32, height 6.45
TESTPOINT#3 [mm]
  round 1 hole 0.4: 1(0,0)
  silkscreen extent -1.27,-1.27 1.78,1.27, body extent -1.37,-1.32 1.37,1.32, height 6.45
TQFP-PT64_N [mm] "Thin QFP, 64-Leads, Body 10x10mm, Pitch 0.5mm, IPC Medium Density"
  oval 1.8x0.3 smd: 1(-5.55,3.75) 2(-5.55,3.25) 3(-5.55,2.75) 4(-5.55,2.25) 5(-5.55,1.75) 6(-5.55,1.25) 7(-5.55,0.75) 8(-5.55,0.25) 9(-5.55,-0.25) 10(-5.55,-0.75) 11(-5.55,-1.25) 12(-5.55,-1.75) 13(-5.55,-2.25) 14(-5.55,-2.75) 15(-5.55,-3.25) 16(-5.55,-3.75) 33(5.55,-3.75) 34(5.55,-3.25) 35(5.55,-2.75) 36(5.55,-2.25) 37(5.55,-1.75) 38(5.55,-1.25) 39(5.55,-0.75) 40(5.55,-0.25) 41(5.55,0.25) 42(5.55,0.75) 43(5.55,1.25) 44(5.55,1.75) 45(5.55,2.25) 46(5.55,2.75) 47(5.55,3.25) 48(5.55,3.75)
  oval 0.3x1.8 smd: 17(-3.75,-5.55) 18(-3.25,-5.55) 19(-2.75,-5.55) 20(-2.25,-5.55) 21(-1.75,-5.55) 22(-1.25,-5.55) 23(-0.75,-5.55) 24(-0.25,-5.55) 25(0.25,-5.55) 26(0.75,-5.55) 27(1.25,-5.55) 28(1.75,-5.55) 29(2.25,-5.55) 30(2.75,-5.55) 31(3.25,-5.55) 32(3.75,-5.55) 49(3.75,5.55) 50(3.25,5.55) 51(2.75,5.55) 52(2.25,5.55) 53(1.75,5.55) 54(1.25,5.55) 55(0.75,5.55) 56(0.25,5.55) 57(-0.25,5.55) 58(-0.75,5.55) 59(-1.25,5.55) 60(-1.75,5.55) 61(-2.25,5.55) 62(-2.75,5.55) 63(-3.25,5.55) 64(-3.75,5.55)
  silkscreen extent -5.68,-4.25 4.25,4.57, body extent -5,-5 5,5, height 1.2

## Part data
BT1: library part Battery, "Multicell Battery"
C1 C2 C3 C4 C5 C6 C7 C8 C9 C10 C11 C12 C13 C14 C15 C16 C24 C28 C38 C39 C46 C59 C64 C78 C81 C93 C99 C111 C117: library part Cap, "Capacitor"
C17 C18 C19 C20 C21 C22 C23 C25 C26 C27 C29 C30 C32 C33 C34 C35 C36 C37 C40 C41 C42 C43 C44 C45 C47 C48 C49 C50 C51 C52 C53 C54 C55 C56 C57 C60 C61 C62 C63 C65 C66 C67 C68 C69 C70 C71 C72 C73 C74 C75 C77 C79 C80 C82 C83 C84 C85 C86 C87 C88 C89 C90 C91 C94 C95 C96 C97 C98 C100 C101 C102 C103 C104 C105 C106 C107 C108 C110 C112 C113 C114 C115 C116 C118 C119 C120 C121 C122 C123 C124: library part 0805C-18PF-50V-C0G-JOH, "CAPACITOR 0805 CERAMIC"
D1: library part "D Schottky", "Schottky Diode"
D2 D3 D7 D8 D9: library part LED2, "Typical RED, GREEN, YELLOW, AMBER GaAs LED"
D4: library part "Diode 1N4007", "1 Amp General Purpose Rectifier"
D5: library part 1N4001, "1N4001"
D6: library part "D Zener", "Zener Diode"
D10 D11 D12 D13 D14 D15 D16 D17 D18 D19 D20 D21: "Typical RED, GREEN, YELLOW, AMBER GaAs LED"
J1: "GENERIC RJ45 CONNECTOR 8 PIN"
L1 L2: library part Inductor, "Inductor"
L3: library part 1U-1239AS-TOKO, "1239AS-H-1R0N"
L4 L6 L7 L8 L9 L10 L11 L12 L13 L14 L15 L16 L17 L18 L19 L20 L21 L22 L23 L24 L25 L26 L27 L28 L29 L30 L31 L32 L33: library part FerrBeads/ILBB
M2: library part "ESP 8266"
P1: "Header, 5-Pin"
P2: "Header, 24-Pin"
P3: "Header, 13-Pin"
Q1: library part MMBT2222, "GENERIC PNP BIPOLAR TRANSISTOR"
Q2 Q3 Q4 Q5 Q6 Q7 Q8 Q9 Q10 Q11 Q12: "BC847 SMALL SIGNAL NPN TRANSISTOR"
R1 R2 R3 R4 R5 R6 R7 R8 R9 R10 R11 R12 R13 R14 R15 R16 R17 R18 R19 R20 R21 R22 R23 R24 R25 R26 R27 R28 R29 R30 R31 R32 R33 R34 R35 R36 R37 R38 R39 R40 R41 R42 R43 R44 R45 R46 R47 R48 R49 R50 R51 R52 R53 R54 R55 R56 R57 R58 R59 R60 R61 R62 R63 R64 R65 R66 R67 R68 R69 R70 R71 R72 R73 R74 R75 R76 R77 R78 R79 R80 R81 R82 R83 R84 R85 R86 R87 R88 R89 R90 R91 R92 R93 R94 R95 R96 R97 R98 R99 R100 R101 R102 R103 R104 R105 R106 R107 R108 R109 R110 R111 R112 R113 R114: library part Res3, "Resistor"
TP1 TP1 TP2 TP3 TP4 TP5 TP6: "TESTPOINT SCOPE GRABBER"
TrET1: library part S558-5999-Eth.TR
U5: library part PIC32MX534F064F
Y1: library part CRYSTAL-GENERIC, "GENERIC CRYSTAL"
Y2 Y3: library part XTAL, "Crystal Oscillator"

## Via types
v1: diameter 16, hole 6, L1 to L4, 104 vias
v2: diameter 16, hole 6, L1 to L2, 95 vias
v3: diameter 16, hole 6, L2 to L4, 75 vias
v4: diameter 18, hole 8, L1 to L4, 23 vias
v5: diameter 16, hole 6, L3 to L4, 14 vias
v6: diameter 16, hole 6, L1 to L3, 9 vias
v7: diameter 25.98, hole 12.99, L1 to L4, tented top, 4 vias
v8: diameter 17.72, hole 7.87, L2 to L3, 3 vias